# Altium PCB RICK_TNY_00.PcbDoc
Units mm, origin at the board's own origin, x right, y up, seen from the top; angles counter-clockwise.
Board outline 17.78 x 20.32 mm, 4 copper layers (Top Layer, Layer 1, Layer 2, Bottom Layer), stack 0.807 mm thick; 50 components, 47 nets, 223 pads, 106 vias.
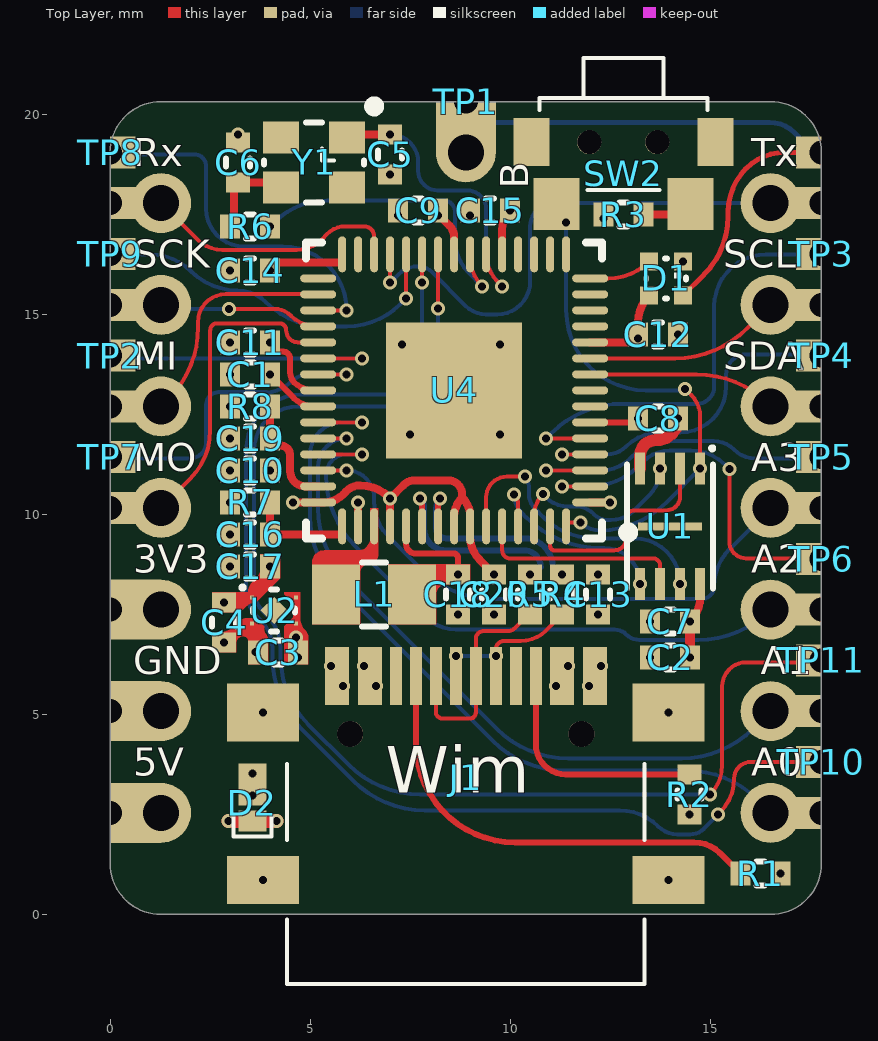
[diagram p0: Top Layer view]
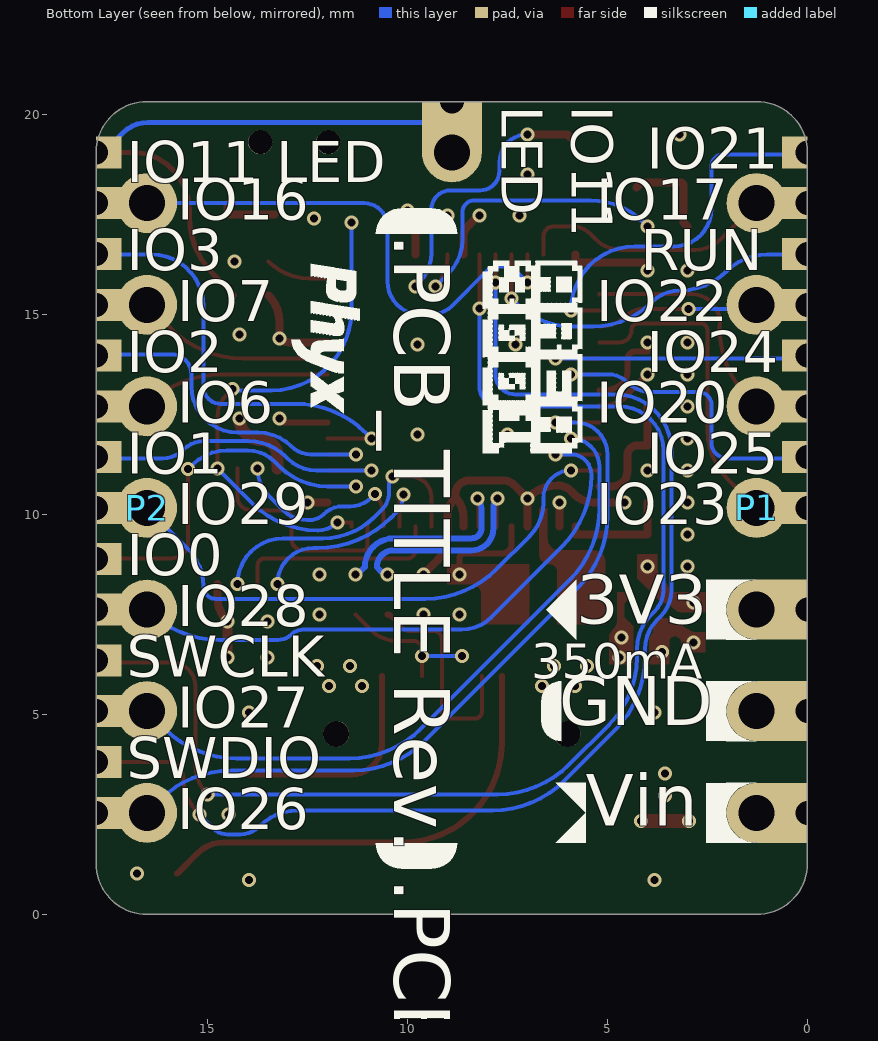
[diagram p1: Bottom Layer view, seen from below]
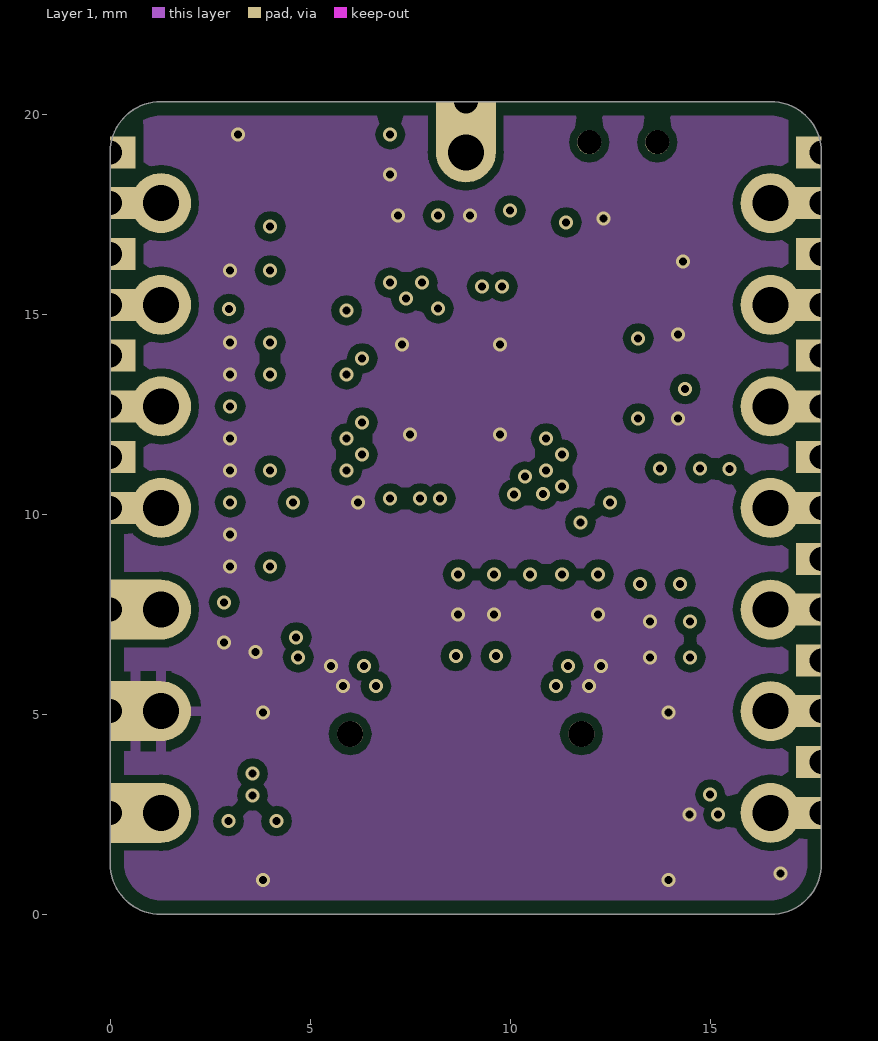
[diagram p2: Layer 1]
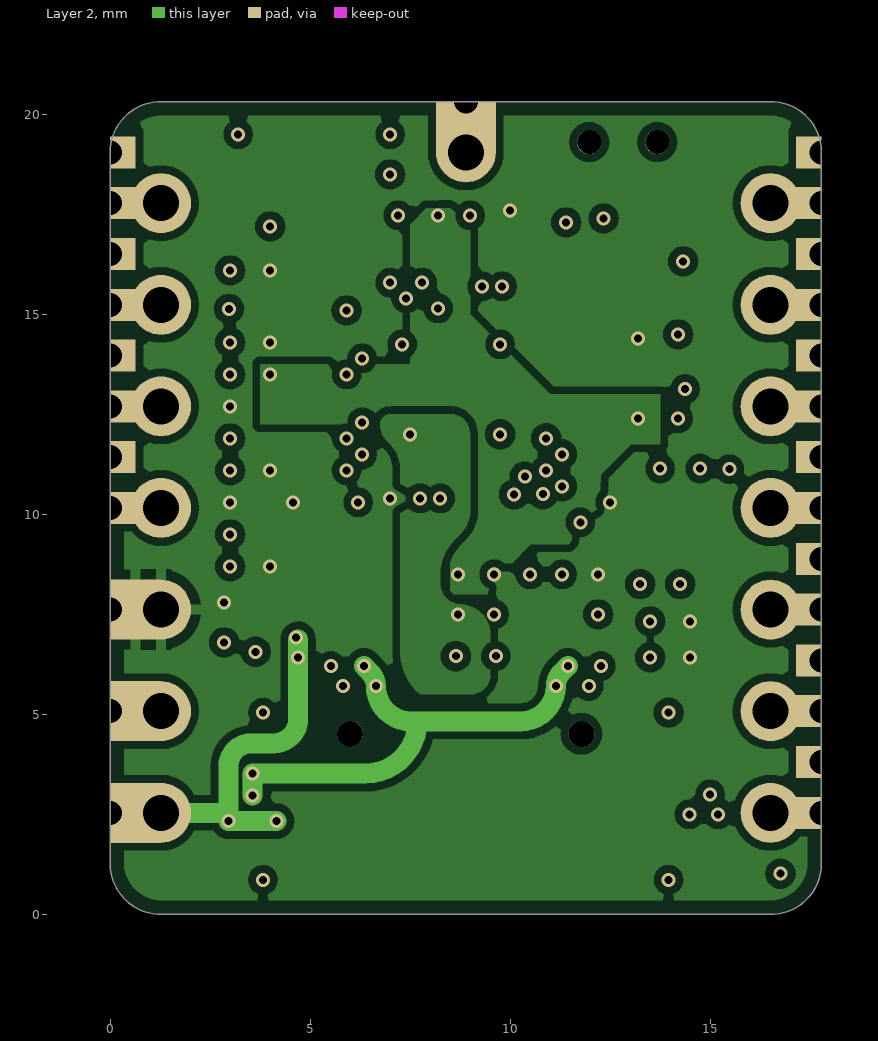
[diagram p3: Layer 2]
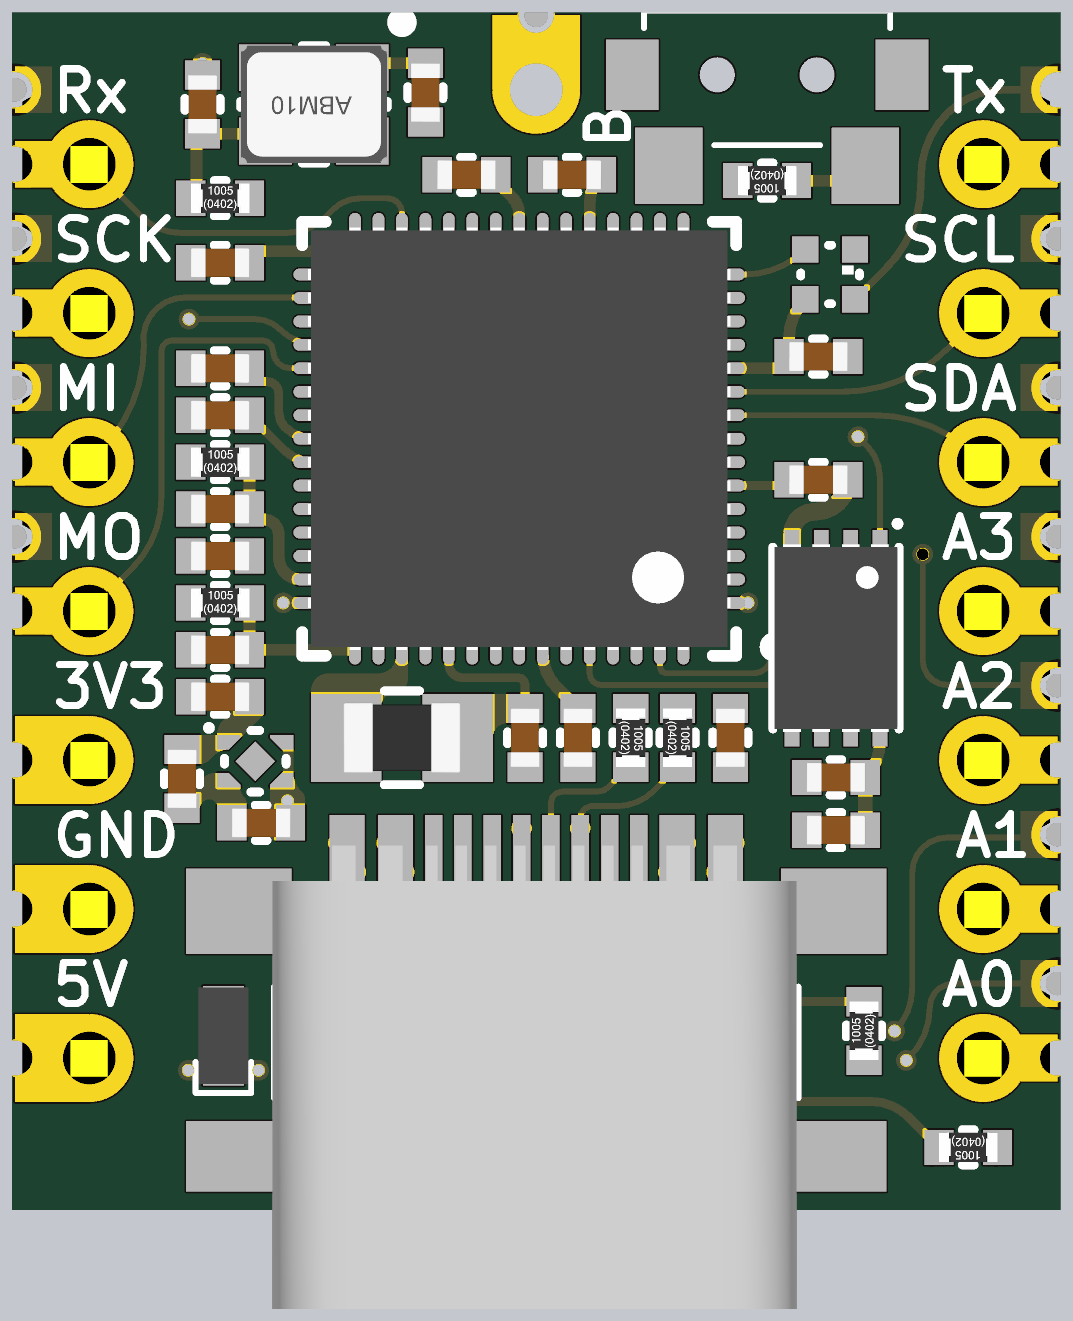
[diagram p4: 3D render of the assembled board from above, using the file's embedded part models]

## Layer stack, top to bottom
Top Solder: solder mask 0.0102, Solder Resist, Dk 3.5
Top Layer: signal copper 0.0356
Dielectric 1: prepreg 0.1, PP-006, Dk 4.1
Layer 1: signal copper 0.018
Dielectric1: core 0.5, FR-4, Dk 4.8
Layer 2: signal copper 0.018
Dielectric 2: prepreg 0.1, PP-006, Dk 4.1
Bottom Layer: signal copper 0.0356
Bottom Solder: solder mask 0.0102, Solder Resist, Dk 3.5

## Board outline
0,1.27 0,19.05 cw(c1.27,19.05) 1.27,20.32 16.51,20.32 cw(c16.51,19.05) 17.78,19.05 17.78,1.27 cw(c16.51,1.27) 16.51,0 1.27,0 cw(c1.27,1.27)

## Design rules (kind name [scope] priority, off if disabled: settings)
BoardOutlineClearance [NOT OnLayer('Top Overlay') AND NOT OnLayer('Bottom Overlay') AND NOT IsText] p1: gap=0.5 ignorepadtopadclearanceinfootprint=FALSE except(0: Arc-SplitContinuation Track-SplitContinuation SMDPad-SplitContinuation THPad-SplitContinuation Via-SplitContinuation Fill-SplitContinuation Poly-SplitContinuation Region-SplitContinuation Text-SplitContinuation; 0.25: Track-OutlineEdge SMDPad-OutlineEdge THPad-OutlineEdge; 0.35: Poly-OutlineEdge)
Clearance [All] p1: gap=0.15 ignorepadtopadclearanceinfootprint=FALSE except(0: Arc-Hole Track-Hole SMDPad-Hole THPad-Hole Via-Hole Fill-Hole Region-Hole Text-Hole; 0.1: Arc-Arc Arc-Track Arc-SMDPad Track-Track Track-SMDPad; 0.127: Arc-THPad Arc-Via Arc-Region Track-THPad Track-Via Track-Region SMDPad-SMDPad SMDPad-Region; 0.2: Arc-Poly Track-Poly SMDPad-Poly THPad-Poly Via-Poly Fill-Poly Poly-Poly Poly-Hole; 0.25: Poly-Region)
ComponentClearance ComponentClearance_J2/D6/D10 [InComponent('J2') vs InComponent('D6') OR InComponent('D10')] p1: gap=0.254 collisioncheckmode=3 verticalgap=0 showdistances=FALSE
ComponentClearance [All] p2: gap=0.254 collisioncheckmode=3 verticalgap=0.254 showdistances=FALSE
DiffPairsRouting [All] p1: maxlimit=0.15 minlimit=0.15 mostfreqgap=0.15 toplayer_minwidth=0.1 toplayer_maxwidth=0.15 toplayer_prefwidth=0.15 midlayer1_minwidth=0.1 midlayer1_maxwidth=0.15 midlayer1_prefwidth=0.15 midlayer2_minwidth=0.1 midlayer2_maxwidth=0.15 midlayer2_prefwidth=0.15 bottomlayer_minwidth=0.1 bottomlayer_maxwidth=0.15 bottomlayer_prefwidth=0.15 maxuncoupledlength=12.7
HoleSize [All] p1: absolutevalues=TRUE maxlimit=10 minlimit=0.025 maxpercent=80.000 minpercent=20.000
PolygonConnect PolygonConnect_VIA [IsVia] p1: connectstyle=Direct reliefconductorwidth=0.254 reliefentries=4 polygonreliefangle="90 Angle" airgapwidth=0.254
PolygonConnect [All] p2: connectstyle=Relief reliefconductorwidth=0.254 reliefentries=4 polygonreliefangle="90 Angle" airgapwidth=0.254
RoutingVias [All] p1: holewidth=0.3 width=0.7 viastyle="Through Hole" minholewidth=0.3 minwidth=0.2 maxholewidth=0.6 maxwidth=1.2
SilkToSolderMaskClearance SilkscreenOverComponentPads [IsPad] p1: minsilkscreentomaskgap=0.254 clearancetoexposedcopper=TRUE
SolderMaskExpansion [All] p1: expansion=0.03 istentingtop=FALSE
SupplyNets "Schematic Supply Nets_4" [InNet('GND')] p1: voltage=0.000
SupplyNets "Schematic Supply Nets_3" [InNet('VUSB')] p2: voltage=0.000
SupplyNets "Schematic Supply Nets_2" [InNet('+1V1')] p3: voltage=0.000
SupplyNets "Schematic Supply Nets_1" [InNet('+3V3')] p4: voltage=0.000
SupplyNets "Schematic Supply Nets" [InNet('VSYS')] p5: voltage=0.000
Width [All] p1: maxlimit=5 minlimit=0.1 preferedwidth=0.125
26 further rules are at their usual default settings.

## Classes and differential pairs
net class 90r: USB.D_n USB.D_p USB.Data_n USB.Data_p
net class POWER: +1V1 +3V3 GND VSYS VUSB
differential pair USB.Data: +USB.Data_p -USB.Data_n
differential pair USB.D: +USB.D_p -USB.D_n

## Components (designator, comment, footprint, x,y, rotation, side; value= is the part's Value field where it differs from the comment)
C1 "CAP_CERAMIC" C0402 3.5,13.5 r180 top value="100nF 16V"
C2 "CAP_CERAMIC" C0402 14,6.425 r180 top value="100nF 16V"
C3 "CAP_CERAMIC" C0402 4.2,6.55 r180 top value="2u2F 6V3"
C4 "CAP_CERAMIC" C0402 2.85,7.3 r270 top value="2u2F 6V3"
C5 "CAP_CERAMIC" C0402 7,19 r270 top value=12pF
C6 "CAP_CERAMIC" C0402 3.2,18.8 r90 top value=12pF
C7 "CAP_CERAMIC" C0402 14,7.325 r180 top value="2u2F 6V3"
C8 "CAP_CERAMIC" C0402 13.7,12.4 r0 top value="100nF 16V"
C9 "CAP_CERAMIC" C0402 7.7,17.6 r180 top value="100nF 16V"
C10 "CAP_CERAMIC" C0402 3.5,11.1 r180 top value="100nF 16V"
C11 "CAP_CERAMIC" C0402 3.5,14.3 r180 top value="100nF 16V"
C12 "CAP_CERAMIC" C0402 13.7,14.5 r0 top value="100nF 16V"
C13 "CAP_CERAMIC" C0402 12.2,8 r270 top value="100nF 16V"
C14 "CAP_CERAMIC" C0402 3.5,16.1 r180 top value="100nF 16V"
C15 "CAP_CERAMIC" C0402 9.5,17.6 r180 top value="100nF 16V"
C16 "CAP_CERAMIC" C0402 3.5,9.5 r180 top value="2u2F 6V3"
C17 "CAP_CERAMIC" C0402 3.5,8.7 r180 top value="10uF 6V3"
C18 "CAP_CERAMIC" C0402 8.7,8 r270 top value="10uF 6V3"
C19 "CAP_CERAMIC" C0402 3.5,11.9 r180 top value="2u2F 6V3"
C20 "CAP_CERAMIC" C0402 9.6,8 r270 top value="100nF 16V"
D1 "WS2812 based digital RGB LED 1010 package" LED_1010_WS2812B 13.9,15.9 r180 top value=XL-1010RGBC-WS2812B
D2 "40V 1A 550mV@700mA 0603 Schottky" ON_DSN2 3.556,2.921 r90 top value=CDBVRL140-HF
J1 "USB 2.0 C Reversible Receptacle Horizontal full SMD" XUNPU-TYPEC-304S-ACP16 8.89,3.41 r0 top locked value=TYPEC-304S-ACP16
L1 "LQM21PN3R3MGRD" L0805 6.6,8 r0 top value=3u3H
P1 "Header 7" HDR1X7 1.27,2.54 r90 bottom
P2 "Header 7" HDR1X7 16.51,2.54 r90 bottom
R1 "RESISTOR" R0402 16.256,1.016 r180 top value=5K1
R2 "RESISTOR" R0402 14.478,3.002 r90 top value=5K1
R3 "RESISTOR" R0402 12.827,17.5 r180 top value=5K1
R4 "RESISTOR" R0402 11.3,8 r270 top value=27R
R5 "RESISTOR" R0402 10.5,8 r270 top value=27R
R6 "RESISTOR" R0402 3.5,17.2 r0 top value=1K
R7 "RESISTOR" R0402 3.5,10.3 r0 top value=10R
R8 "RESISTOR" R0402 3.5,12.7 r0 top value=200R
SW2 "TS24CA RA Tactile Switch 12V 50mA" SHOU_HAN_TS24CA 12.827,19.304 r0 top value=TS24CA
TP1 "TEST_PAD" TP_0.4mm 8.89,20.32 r0 top value="NO BOM"
TP2 "TEST_PAD" TP_0.4mm 0,13.97 r90 top value="NO BOM"
TP3 "TEST_PAD" TP_0.4mm 17.78,16.51 r90 top value="NO BOM"
TP4 "TEST_PAD" TP_0.4mm 17.78,13.97 r90 top value="NO BOM"
TP5 "TEST_PAD" TP_0.4mm 17.78,11.43 r90 top value="NO BOM"
TP6 "TEST_PAD" TP_0.4mm 17.78,8.89 r90 top value="NO BOM"
TP7 "TEST_PAD" TP_0.4mm 0,11.43 r90 top value="NO BOM"
TP8 "TEST_PAD" TP_0.4mm 0,19.05 r90 top value="NO BOM"
TP9 "TEST_PAD" TP_0.4mm 0,16.51 r90 top value="NO BOM"
TP10 "TEST_PAD" TP_0.4mm 17.78,3.81 r90 top value="NO BOM"
TP11 "TEST_PAD" TP_0.4mm 17.78,6.35 r90 top value="NO BOM"
U1 "16Mb 3V3 133MHz SPI Flash DFN2x3 GD25Q16EEIGR" USON_8_0.5_2x3 14,9.7 r270 top value=GD25Q16EEIGR
U2 "3V3 LDO 500mA 150mV" DFNWB_1.0X1.0 4.1,7.6 r270 top value=CJ6205B33F
U4 "RPi RP2350 QFN60 2xM33 ext Flash" RPI_QFN60_0.4_7x7 8.6,13.1 r180 top value=RP2350A
Y1 "12MHz 2520 12pF ±10ppm ±30ppm" XTAL_2520 5.1,18.8 r180 top value=12MHz

## Footprints (in the part's own frame and the unit in brackets; to place one, negate y for a bottom-side part, rotate by r counter-clockwise, add the part's x,y. Pads: shape width x height; smd on the part's side, far side on the other; paste and mask are expansions set on the pad)
C0402 [mm]
  rect 0.5x0.6 smd: 1(-0.5,0) 2(0.5,0)
  silkscreen extent -0.1,-0.3 0.1,0.3, body extent -0.5,-0.25 0.5,0.25, height 0.5
DFNWB_1.0X1.0 [mm] "DFNWB 1x1mm package"
  rect 0.1x0.1 smd: 1(-0.325,-0.55) 2(0.325,-0.55) 3(0.325,0.55) 4(-0.325,0.55)
  rect 0.48x0.48 smd rot 45: 5(0,0)
  Top Layer region: -0.45,-0.65 -0.2,-0.65 -0.2,-0.45 -0.4,-0.25 -0.45,-0.25
  Top Layer region: 0.45,-0.65 0.2,-0.65 0.2,-0.45 0.4,-0.25 0.45,-0.25
  Top Layer region: -0.45,0.65 -0.2,0.65 -0.2,0.45 -0.4,0.25 -0.45,0.25
  Top Layer region: 0.45,0.65 0.2,0.65 0.2,0.45 0.4,0.25 0.45,0.25
  silkscreen extent -0.62,-0.84 0.53,0.53, body extent -0.5,-0.5 0.5,0.5, height 0.4
HDR1X7 [mm] "Connector; Header; 7 Position"
  round 1.5 hole 0.9: 1(0,0) 2(2.54,0) 3(5.08,0) 4(7.62,0) 5(10.16,0) 6(12.7,0) 7(15.24,0)
  body extent -1.27,-1.14 16.51,1.14, height 8.13
L0805 [mm]
  rect 1.2x1.5 smd: 1(-0.95,0) 2(0.95,0)
  silkscreen extent -0.3,-0.8 0.3,0.8, body extent -1,-0.6 1,0.6, height 0.95
LED_1010_WS2812B [mm] "1010 WS2812B based RGB LED"
  rect 0.45x0.45 smd: 1(-0.425,0.425) 2(0.425,0.425) 3(-0.425,-0.425) 4(0.425,-0.425)
  silkscreen extent -0.5,-0.5 0.5,0.5, body extent -0.5,-0.5 0.5,0.5, height 0.8
ON_DSN2 [mm] "DFN, 2-Leads, Body 0,80x1,60mm, Pitch 1,00mm, IPC Medium Density"
  rect 1.05x0.7 smd: A(0.325,0)
  rect 0.52x0.7 smd: C(-0.59,0)
  silkscreen extent -0.97,-0.48 -0.45,0.48, body extent -0.82,-0.43 0.82,0.43, height 0.31
R0402 [mm]
  rect 0.5x0.6 smd: 1(-0.5,0) 2(0.5,0)
  silkscreen extent -0.1,-0.3 0.1,0.3, body extent -0.5,-0.25 0.5,0.25, height 0.35
RPI_QFN60_0.4_7x7 [mm]
  oval 0.9x0.2 smd: 1(-3.4,2.8) 2(-3.4,2.4) 3(-3.4,2) 4(-3.4,1.6) 5(-3.4,1.2) 6(-3.4,0.8) 7(-3.4,0.4) 8(-3.4,0) 9(-3.4,-0.4) 10(-3.4,-0.8) 11(-3.4,-1.2) 12(-3.4,-1.6) 13(-3.4,-2) 14(-3.4,-2.4) 15(-3.4,-2.8) 31(3.4,-2.8) 32(3.4,-2.4) 33(3.4,-2) 34(3.4,-1.6) 35(3.4,-1.2) 36(3.4,-0.8) 37(3.4,-0.4) 38(3.4,0) 39(3.4,0.4) 40(3.4,0.8) 41(3.4,1.2) 42(3.4,1.6) 43(3.4,2) 44(3.4,2.4) 45(3.4,2.8)
  oval 0.2x0.9 smd: 16(-2.8,-3.4) 17(-2.4,-3.4) 18(-2,-3.4) 19(-1.6,-3.4) 20(-1.2,-3.4) 21(-0.8,-3.4) 22(-0.4,-3.4) 23(0,-3.4) 24(0.4,-3.4) 25(0.8,-3.4) 26(1.2,-3.4) 27(1.6,-3.4) 28(2,-3.4) 29(2.4,-3.4) 30(2.8,-3.4) 46(2.8,3.4) 47(2.4,3.4) 48(2,3.4) 49(1.6,3.4) 50(1.2,3.4) 51(0.8,3.4) 52(0.4,3.4) 53(0,3.4) 54(-0.4,3.4) 55(-0.8,3.4) 56(-1.2,3.4) 57(-1.6,3.4) 58(-2,3.4) 59(-2.4,3.4) 60(-2.8,3.4)
  rect 3.4x3.4 smd: 61(0,0)
  silkscreen extent -4.48,-3.7 3.7,3.7, body extent -3.6,-3.6 3.6,3.6, height 0.9
SHOU_HAN_TS24CA [mm] "TS24CA tactile switch"
  rect 0.9x1.2 smd: 0(-2.3,0) 0(2.3,0)
  round 0.6 hole 0.6 unplated: 0(-0.85,0) 0(0.85,0)
  rect 1.15x1.3 smd: 1(-1.675,-1.55) 2(1.675,-1.55)
  silkscreen extent -2.1,-1.2 2.1,2.1, body extent -2.1,-1.2 2.1,2.1, height 1.8
TP_0.4mm [mm] "0.4mm pad"
  round 0.4 smd mask+0.05: 1(0,0)
USON_8_0.5_2x3 [mm] "SON, 8-Leads, Body 2,00x3,00mm, Pitch 0,50mm, Thermal Pad 1,60x0,20mm, IPC Medium Density"
  rect 0.8x0.25 smd: 1(-1.445,0.75) 2(-1.445,0.25) 3(-1.445,-0.25) 4(-1.445,-0.75) 5(1.445,-0.75) 6(1.445,-0.25) 7(1.445,0.25) 8(1.445,0.75)
  rect 0.2x1.6 smd: 9(0,0)
  silkscreen extent -2,-1.07 1.55,1.1, body extent -1.6,-1.05 1.6,1.05, height 0.5
XTAL_2520 [mm]
  rect 0.9x0.8 smd: 1(-0.825,-0.625) 2(0.825,-0.625) 3(0.825,0.625) 4(-0.825,0.625)
  silkscreen extent -1.63,-1.52 1.25,1, body extent -1.24,-1 1.24,1, height 0.51
XUNPU-TYPEC-304S-ACP16 [mm] "USB C Connector SMD"
  round 0.65 hole 0.65 unplated: 0(-2.89,1.102) 0(2.89,1.102)
  rect 0.3x1.45 smd: A1(-3.375,2.547) A4(-2.55,2.548) A5(-1.25,2.548) A6(-0.25,2.547) A7(0.25,2.547) A8(1.25,2.548) A9(2.55,2.547) A12(3.375,2.548) B1(3.075,2.547) B4(2.25,2.548) B5(1.75,2.548) B6(0.75,2.547) B7(-0.75,2.547) B8(-1.75,2.548) B9(-2.25,2.547) B12(-3.075,2.548)
  rect 1.8x1.45 smd: MH1(-5.07,1.632) MH4(5.07,1.632)
  rect 1.8x1.2 smd: MH2(-5.07,-2.548) MH3(5.07,-2.548)
  silkscreen extent -4.47,-5.15 4.47,0.35, body extent -4.5,-5.15 4.44,2.75, height 3.26

## Part data
C1 C2 C8 C9 C10 C11 C12 C13 C14 C15 C20: library part "CAP # 100nF 16V 0402", "Capacitor Ceramic", Supplier Part Number 1=1758896, Supplier 1=Farnell, Supplier 3=Generic, Supplier Part Number 3="100nF 16V 0402 X7R"
C3 C4 C7 C16 C19: library part "CAP # 2u2F 6V3 0402", "Capacitor Ceramic", Supplier Part Number 1=C12530, Supplier 1=LCSC, Supplier 3=Generic, Supplier Part Number 3="2u2F 6V3 0402 X5R"
C5 C6: library part "CAP # 12pF 50V 0402", "Capacitor Ceramic", Supplier Part Number 1=2310489, Supplier 1=Farnell, Supplier 2=LCSC, Supplier 3=Generic, Supplier Part Number 2=C106201, Supplier Part Number 3="12pF 0402"
C17 C18: library part "CAP # 10uF 6V3 0402", "Capacitor Ceramic", Supplier Part Number 1=C15525, Supplier 1=LCSC, Supplier 2=LCSC, Supplier 3=Generic, Supplier Part Number 2=C87148, Supplier Part Number 3="10uF 6V3 0402 X5R"
D1: library part "LED # RGB XL-1010RGBC-WS2812B", "=Description", Supplier Part Number 1=C5349953, Supplier 1=LCSC
D2: library part "Schottky # CDBVRL140-HF", "=Description", Supplier Part Number 1=C3758192, Supplier 1=LCSC, Supplier 2=LCSC, Supplier Part Number 2=C153761
J1: library part "USB # C 2.0 RCPT TYPEC-304S-ACP16", Supplier Part Number 1=C720630, Supplier 1=LCSC
L1: library part "IND # 3u3H 0603 1A", Supplier Part Number 1=C162585, Supplier 1=LCSC
P1 P2: library part "Pin Header 2.54mm 7way"
R1 R2 R3: library part "RES # 5K1 0402", Supplier Part Number 1=C274895, Supplier 1=LCSC, Supplier 3=Generic, Supplier Part Number 3="5K1 1% 0402"
R4 R5: library part "RES # 27R 0402", Supplier 3=Generic, Supplier Part Number 3="27R 1% 0402"
R6: library part "RES # 1K 0402", Supplier 3=Generic, Supplier Part Number 3="1K 1% 0402"
R7: library part "RES # 10R 0402", Supplier Part Number 1=C2906862, Supplier 1=LCSC, Supplier 2=LCSC, Supplier 3=Generic, Supplier Part Number 2=C138066, Supplier Part Number 3="10R 1% 0402"
R8: library part "RES # 200R 0402", Supplier Part Number 1=C2909333, Supplier 1=LCSC, Supplier 2=LCSC, Supplier 3=Generic, Supplier Part Number 2=C114764, Supplier Part Number 3="200R 1% 0402"
SW2: library part "SW # TACT RA TS24CA", Supplier Part Number 1=C393942, Supplier 1=LCSC
TP1 TP2 TP3 TP4 TP5 TP6 TP7 TP8 TP9 TP10 TP11: library part "TP # 0.4mm", Supplier Part Number 1="FOOTPRINT ONLY", Supplier 1=XXX
U1: library part "FLSH # 16Mb QSPI NOR 3V3 133MHz DFN GD25Q16EEIGR", Supplier Part Number 1=C2986331, Supplier 1=LCSC
U2: library part "LDO # 3V3 500mA CJ6205B33F", "=Designator", Supplier Part Number 1=C2829397, Supplier 1=LCSC
U4: library part "M33 # RP2350A", "=Description"
Y1: library part "XTAL # 12Mhz 2520 12pF", "Crystal Oscillator 4pin casing", Supplier Part Number 1=C7294611, Supplier 1=LCSC

## Free pads (board coordinates)
  rect 1.27x1.5 hole 0.6 copper offset 0.635,0: 0(0,2.54) 0(0,5.08) 0(0,7.62)
  rect 0.635x0.8 hole 0.6 copper offset 0.318,0: 0(0,10.16) 0(0,12.7) 0(0,15.24) 0(0,17.78)
  rect 0.635x0.8 hole 0.6 copper offset 0.318,0 mask+0.05: 0(0,11.43) 0(0,13.97) 0(0,16.51) 0(0,19.05)
  rect 1.5x1.27 hole 0.6 copper offset 0,-0.635: 0(8.89,20.32)
  rect 0.635x0.8 hole 0.6 copper offset -0.318,0: 0(17.78,2.54) 0(17.78,5.08) 0(17.78,7.62) 0(17.78,10.16) 0(17.78,12.7) 0(17.78,15.24) 0(17.78,17.78)
  rect 0.635x0.8 hole 0.6 copper offset -0.318,0 mask+0.05: 0(17.78,3.81) 0(17.78,6.35) 0(17.78,8.89) 0(17.78,11.43) 0(17.78,13.97) 0(17.78,16.51) 0(17.78,19.05)
  round 1.5 hole 0.9: 1(8.89,19.05)

## Via types
v1: diameter 0.35, hole 0.2, Top Layer to Bottom Layer, tented both sides, 106 vias

## Nets (pads, with @x,y where several pads share a name; then routed paths per layer and width w, separated by ;. In a path a pad name is that pad's centre, name@x,y a point inside that pad or via, vN(x,y) a via of type N, cw(c..) or ccw(c..) an arc to the next point about the centre after c; other vN are vias at no path point)
+1V1: C1.1 C8.1 C9.1 C18.1 L1.2 U4.6 U4.23 U4.39 U4.50 | length 6.2
  Top Layer w0.15: v1(4,13.5) 4.6,12.9 ccw(c5.083,13.383) 5.083,12.7 U4.39 ; U4.50 7.4,9.25 ccw(c7.625,9.25) 7.625,9.025 8.575,9.025 cw(c8.575,8.9) 8.7,8.9 v1(8.7,8.5) ; U4.6 13.1,12.3 ccw(c13.1,12.4) v1(13.2,12.4)
  Top Layer w0.2: v1(8.2,17.475) cw(c8.2,17.415) 8.243,17.457 8.475,17.225 cw(c8.173,16.923) 8.6,16.923 U4.23
+3V3: C2.1 C4.1 C7.1 C10.1 C11.1 C12.1 C13.1 C14.1 C15.1 C17.1 C20.1 D1.2 P1.3 pad.0@0,7.62 R7.1 R8.1 U1.8 U2.1 U4.1 U4.11 U4.20 U4.30 U4.38 U4.45 U4.49 U4.53 U4.54 | length 18.7
  Top Layer w0.15: v1(4,14.3) 4,14.075 4.3,14.075 cw(c4.3,13.875) 4.5,13.875 4.5,13.541 ccw(c4.841,13.541) 4.6,13.3 ccw(c5.083,13.783) 5.083,13.1 U4.38
  Top Layer w0.2: v1(4,16.1) 4,16.189 4.108,16.297 5.8,16.297 U4.30 ; v1(4.575,10.3) U4.45 5.342,10.3 ccw(c5.342,10.983) 5.825,10.5 5.909,10.584 cw(c6.25,10.242) 6.25,10.725 cw(c6.25,9.699) 6.976,10.424 v1(7,10.4) ; U4.49 v1(7,10.4) ; U4.53 8.6,9.942 cw(c9.283,9.942) 8.8,10.425 ; C20.1@9.6,8.502 9.24,8.861 cw(c9.821,9.442) 9,9.442 U4.54 9,9.942 ccw(c8.317,9.942) 8.8,10.425 ; U4.20 9.8,17.117 cw(c10.483,17.117) v1(10,17.6) ; U4.1 v1(12.5,10.3) ; U4.11 12.959,14.3 ccw(c12.959,14.641) v1(13.2,14.4) C12.1 13.2,14.811 cw(c14.139,14.811) D1.2 ; v1(14.5,7.325) ccw(c13.896,7.929) 14.75,7.929 U1.8 ; v1(7,10.4) 7.326,10.726 cw(c7.625,10.427) 7.625,10.85 8.45,10.85 cw(c8.45,10.5) 8.8,10.5 8.8,10.425
  Top Layer w0.25: v1(14.5,6.425) v1(14.5,7.325)
  other v1: 2.85,7.8 9.6,8.5 12.2,8.5 4,8.7 3,10.3 4,11.1 3,12.7
ADC_IOVDD: C19.1 R8.2 U4.44 | length 2.9
  Top Layer w0.2: R8.2 C19.1 4,11.725 4.246,11.725 cw(c4.246,11.471) 4.5,11.471 4.5,11.075 ccw(c4.875,11.075) 4.875,10.7 U4.44
GND: C1.2 C2.2 C3.2 C4.2 C5.2 C6.2 C7.2 C8.2 C9.2 C10.2 C11.2 C12.2 C13.2 C14.2 C15.2 C16.2 C17.2 C18.2 C19.2 C20.2 D1.3 J1.A1 J1.A12 J1.B1 J1.B12 J1.MH1 J1.MH2 J1.MH3 J1.MH4 P1.2 pad.0@0,5.08 R1.1 R2.1 R3.2 U1.4 U2.2 U4.47 U4.61 | length 2.4
  Top Layer w0.2: U4.47 v1(6.2,10.3)
  Top Layer w0.3: U1.4 13.25,11.471 cw(c13.635,11.471) 13.635,11.855 13.655,11.855 ccw(c13.655,12.4) v1(14.2,12.4)
  other v1: 3.82,0.863 13.96,0.863 16.756,1.016 14.478,2.502 3.82,5.042 13.96,5.042 5.815,5.708 11.965,5.708 5.515,6.207 12.265,6.208 13.5,6.425 3.635,6.565 2.85,6.8 13.5,7.325 8.7,7.5 9.6,7.5 12.2,7.5 3,8.7 3,9.5 3,11.1 3,11.9 7.5,12 9.75,12 3,13.5 7.3,14.25 9.75,14.25 3,14.3 14.2,14.5 3,16.1 14.325,16.325 12.334,17.4 7.2,17.475 9,17.475 7,18.5 3.2,19.5
IO0: pad.0@17.78,8.89 TP6.1 U4.2 | length 9.2
  Top Layer w0.1: v1(11.291,10.7) U4.2 ; v1(15.48,11.129) 15.48,9.32 ccw(c15.9,9.32) 15.9,8.9 17.351,8.9 pad.0@17.351,8.887
  Bottom Layer w0.1: v1(11.291,10.7) 11.993,10.7 ccw(c11.993,12.407) 13.2,11.2 13.317,11.317 cw(c14,10.634) 14,11.6 14.504,11.6 cw(c14.504,10.382) v1@15.365,11.244 ; v1@15.365,11.243 v1(15.48,11.129)
IO1: pad.0@17.78,11.43 TP5.1 U4.3 | length 7.9
  Top Layer w0.1: v1(10.9,11.1) U4.3
  Bottom Layer w0.1: v1(10.9,11.1) 12.276,11.1 ccw(c12.276,12.124) 13,11.4 13.045,11.445 cw(c13.983,10.506) 13.983,11.833 15.08,11.833 cw(c15.08,11.107) 15.594,11.621 ccw(c16.126,12.154) 16.126,11.4 17.341,11.4 pad.0@17.346,11.395
IO2: pad.0@17.78,13.97 TP4.1 U4.4 | length 8.2
  Top Layer w0.1: v1(11.291,11.5) U4.4
  Bottom Layer w0.1: v1(11.291,11.5) 12.417,11.5 ccw(c12.417,12.183) 12.9,11.7 cw(c13.736,10.864) 13.736,12.046 14.246,12.046 ccw(c14.246,13.2) 15.4,13.2 15.4,13.5 cw(c15.9,13.5) 15.9,14 17.329,14 pad.0@17.329,13.986
IO3: pad.0@17.78,16.51 TP3.1 U4.5 | length 10.8
  Top Layer w0.1: v1(10.9,11.9) U4.5
  Bottom Layer w0.1: v1(10.9,11.9) 11.021,12.021 cw(c12.817,10.225) 12.817,12.765 14.672,12.765 ccw(c14.672,13.193) 15.1,13.193 15.1,15.2 cw(c16.4,15.2) 16.4,16.5 17.326,16.5 pad.0@17.326,16.511
IO21: pad.0@0,19.05 TP8.1 U4.33 | length 8.8
  Top Layer w0.1: U4.33 v1(5.909,15.1)
  Bottom Layer w0.1: pad.0@0.537,19 2.1,19 cw(c2.1,18.7) 2.4,18.7 2.4,17.639 ccw(c3.339,17.639) 3.339,16.7 4.309,16.7 cw(c4.309,15.1) v1(5.909,15.1)
IO24: pad.0@0,13.97 TP2.1 U4.36 | length 6.9
  Top Layer w0.1: U4.36 v1(6.3,13.9)
  Bottom Layer w0.1: pad.0@0.542,13.928 ccw(c0.569,13.928) 0.569,13.9 v1(6.3,13.9)
IO25: pad.0@0,11.43 TP7.1 U4.37 | length 7.6
  Top Layer w0.1: U4.37 v1(5.909,13.5)
  Bottom Layer w0.1: pad.0@0.513,11.417 0.513,11.4 2,11.4 ccw(c2,11.8) 2.4,11.8 2.4,12.745 cw(c2.708,12.745) 2.708,13.053 3.904,13.053 ccw(c3.904,13.896) 4.5,13.3 cw(c4.983,12.817) 4.983,13.5 v1(5.909,13.5)
IO26_ADC0: P2.1 pad.0@17.78,2.54 U4.40 | length 19.3
  Top Layer w0.1: U4.40 v1(6.3,12.3)
  Bottom Layer w0.1: v1(6.3,12.3) 5.8,12.3 ccw(c5.8,11.5) 5,11.5 5,9.952 ccw(c7.54,9.952) 5.744,8.156 9.556,4.344 ccw(c11.352,6.14) 11.352,3.6 14.398,3.6 cw(c14.398,1.06) 16.194,2.856 P2.1
IO27_ADC1: P2.2 pad.0@17.78,5.08 U4.41 | length 17.5
  Top Layer w0.1: U4.41 v1(5.909,11.9)
  Bottom Layer w0.1: v1(5.909,11.9) ccw(c5.909,11.191) 5.2,11.191 5.2,10.152 ccw(c7.74,10.152) 5.944,8.356 9.656,4.644 ccw(c11.452,6.44) 11.452,3.9 14.278,3.9 ccw(c14.278,6.44) 16.074,4.644 P2.2
IO28_ADC2: P2.3 pad.0@17.78,7.62 U4.42 | length 15.7
  Top Layer w0.1: U4.42 v1(6.3,11.5)
  Bottom Layer w0.1: v1(6.3,11.5) 5.909,11.5 ccw(c5.909,10.991) 5.645,11.426 ccw(c5.909,10.991) 5.4,10.991 5.4,10.981 ccw(c7.94,10.981) 6.144,9.185 7.9,7.429 ccw(c8.648,8.177) 8.648,7.119 12.614,7.119 cw(c12.614,6.714) 12.9,7 ccw(c13.231,7.331) 13.231,6.863 14.701,6.863 ccw(c14.701,9.403) 16.497,7.607 P2.3
IO29_ADC3: P2.4 pad.0@17.78,10.16 U4.43 | length 14.2
  Top Layer w0.1: U4.43 v1(5.909,11.1)
  Bottom Layer w0.1: v1(5.909,11.1) cw(c5.909,10.409) 6.6,10.409 6.6,10.3 ccw(c7.807,10.3) 6.953,9.447 ; 6.954,9.446 7.769,8.631 ccw(c9.565,10.427) 9.565,7.887 14.787,7.887 ccw(c14.787,8.2) 15.1,8.2 cw(c16.428,8.2) 15.489,9.139 P2.4
LED.DIN: D1.4 U4.15 | length 1.6
  Top Layer w0.1: U4.15 12.449,15.9 ccw(c12.449,17.351) D1.4
LED.DOUT: D1.1 pad.0@8.89,20.32 pad.0@17.78,19.05 pad.1 TP1.1 | length 15.1
  Top Layer w0.127: D1.1 14.849,15.999 ccw(c13.398,17.45) 15.45,17.45 15.45,17.564 cw(c16.986,17.564) 15.9,18.65 cw(c16.866,17.684) 16.866,19.05 pad.0@17.575,19.05
  Bottom Layer w0.127: pad.1 8.89,19.8 16.482,19.8 cw(c16.482,18.912) 17.11,19.54 17.375,19.275 pad.0@17.375,19.05
NetC5_1: C5.1 U4.21 Y1.1 | length 7.6
  Top Layer w0.1: U4.21 ccw(c10.366,16.5) v1@9.682,15.818 ; v1@9.683,15.817 v1(9.8,15.7)
  Top Layer w0.2: Y1.1 6,19.5 v1(7,19.5)
  Bottom Layer w0.1: v1(7,19.5) cw(c7,18.8) 7.7,18.8 7.7,18.585 ccw(c8.187,18.585) 8.187,18.098 8.927,18.098 cw(c8.927,17.625) 9.4,17.625 9.4,16.55 ccw(c10.486,16.55) 9.718,15.782 v1(9.8,15.7)
NetC6_1: C6.1 R6.1 Y1.3 | length 2.3
  Top Layer w0.2: R6.1 3.098,17.298 3.098,18.248 C6.1@3.15,18.3 ; C6.1 4.15,18.3 Y1.3
NetJ1_A5: J1.A5 R1.2 | length 11.5
  Top Layer w0.15: J1.A5 7.64,4.283 ccw(c10.123,4.283) 7.659,3.974 ccw(c10.123,4.283) 10.123,1.8 14.6,1.8 cw(c14.6,0.902) 15.235,1.537 R1.2
NetJ1_B5: J1.B5 R2.2 | length 6
  Top Layer w0.15: J1.B5 10.64,4.25 ccw(c11.388,4.25) 11.388,3.502 R2.2
NetL1_1: L1.1 U4.48
NetR3_1: R3.1 SW2.2 | length 1.4
  Top Layer w0.2: R3.1 14.502,17.5 SW2.2
NetR6_2: R6.2 U4.22 | length 7.9
  Top Layer w0.1: U4.22 9,16.424 ccw(c10.024,16.424) v1(9.3,15.7)
  Bottom Layer w0.1: v1(4,17.2) 4.1,17.3 cw(c5.428,15.972) 5.428,17.85 8.325,17.85 cw(c8.325,17.55) 8.625,17.55 8.625,16.858 ccw(c9.792,16.858) 8.967,16.033 v1(9.3,15.7)
QSPI.SCLK: U1.6 U4.56 | length 5.2
  Top Layer w0.1: U4.56 9.8,9.1 ccw(c10,9.1) 10,8.9 13.56,8.9 cw(c13.56,8.71) 13.75,8.71 U1.6
QSPI.SD0: U1.5 U4.57 | length 5.1
  Top Layer w0.1: v1(10.1,10.5) cw(c9.859,10.259) 10.2,10.259 U4.57
  Bottom Layer w0.1: v1(10.1,10.5) ccw(c10.759,10.5) 10.293,10.034 10.4,9.928 ccw(c12.25,11.778) 12.25,9.161 12.344,9.161 cw(c12.344,8.255) v1(13.25,8.255)
QSPI.SD1: U1.2 U4.59 | length 5.5
  Top Layer w0.1: U4.59 11,9.2 ccw(c11.1,9.2) 11.1,9.1 12.6,9.1 ccw(c12.6,9.4) 12.9,9.4 12.9,9.9 cw(c13.1,9.9) 13.1,10.1 13.9,10.1 ccw(c13.9,10.45) 14.25,10.45 U1.2
QSPI.SD2: U1.3 U4.58 | length 4.7
  Top Layer w0.1: U4.58 10.6,9.982 cw(c11.338,9.982) v1(10.816,10.504)
  Bottom Layer w0.1: v1(10.816,10.504) 10.896,10.424 ccw(c11.436,10.964) 11.436,10.2 11.617,10.2 cw(c11.617,9.517) 12.1,10 ccw(c12.45,10.35) 12.45,9.855 12.509,9.855 ccw(c12.509,10.691) 13.1,10.1 13.471,10.471 ccw(c12.796,11.145) v1(13.75,11.145)
QSPI.SD3: U1.7 U4.55 | length 7.4
  Top Layer w0.1: U4.55 9.4,10.426 cw(c9.916,10.426) 9.916,10.942 v1(10.37,10.942)
  Bottom Layer w0.1: v1(10.37,10.942) cw(c10.142,10.715) 10.464,10.715 10.464,10.526 ccw(c11.021,10.526) 10.464,10.502 ccw(c10.816,10.504) 10.472,10.432 ccw(c11.021,10.526) 10.627,10.131 10.818,9.94 ccw(c12.122,11.243) 12.122,9.4 13.105,9.4 cw(c13.105,8.255) v1(14.25,8.255)
QSPI.SS: SW2.1 U1.1 U4.60 | length 12.5
  Top Layer w0.1: U4.60 11.4,9.8 v1(11.753,9.8) ; v1(14.375,13.134) 14.526,12.983 cw(c13.985,12.442) 14.75,12.442 v1(14.75,11.145)
  Bottom Layer w0.1: v1(11.4,17.3) 11.4,15.1 ccw(c13.4,15.1) 13.4,13.1 14.341,13.1 v1(14.375,13.134) ; v1(11.753,9.8) ccw(c12.236,10.283) 12.236,9.6 ccw(c12.236,11.94) 13.89,10.285 v1(14.75,11.145)
RP.MISO: P1.5 pad.0@0,12.7 U4.32 | length 5.8
  Top Layer w0.1: P1.5 1.456,12.886 ccw(c-0.34,14.682) 2.2,14.682 cw(c2.898,14.8) 2.898,15.507 5.193,15.507 U4.32
RP.MOSI: P1.4 pad.0@0,10.16 U4.35 | length 7.9
  Top Layer w0.1: P1.4 1.998,10.888 ccw(c0.786,12.1) 2.5,12.1 2.5,14.6 cw(c2.675,14.6) 2.675,14.775 4.225,14.775 cw(c4.225,14.6) 4.4,14.6 ccw(c4.7,14.6) 4.7,14.3 U4.35
RP.RX: P1.7 pad.0@0,17.78 U4.28 | length 6.5
  Top Layer w0.1: P1.7 2.177,16.873 ccw(c2.812,17.508) 2.812,16.61 4.651,16.61 ccw(c4.651,17.512) 5.289,16.874 5.421,17.007 cw(c5.888,16.539) 5.888,17.2 6.35,17.2 cw(c6.35,16.95) 6.6,16.95 U4.28
RP.SCK: P1.6 pad.0@0,15.24 U4.34 | length 4.1
  Top Layer w0.1: v1(2.969,15.139) 3.911,15.139 4.102,15.139 cw(c4.102,14.552) 4.516,14.967 ccw(c5.161,15.612) 5.161,14.7 U4.34
  Bottom Layer w0.1: P1.6 ccw(c1.514,15.484) 1.514,15.139 v1(2.969,15.139)
RP.SCL: P2.6 pad.0@17.78,15.24 U4.10 | length 5
  Top Layer w0.1: U4.10 14.118,13.9 ccw(c14.118,16.44) 15.914,14.644 P2.6
RP.SDA: P2.5 pad.0@17.78,12.7 U4.9 | length 4.7
  Top Layer w0.1: U4.9 14.658,13.5 cw(c14.658,10.96) 16.454,12.756 P2.5
RP.TX: P2.7 pad.0@17.78,17.78 U4.27 | length 13
  Top Layer w0.1: v1(7,15.791) U4.27
  Bottom Layer w0.1: v1(7,15.791) 7.203,15.994 cw(c7.7,15.496) 7.7,16.2 cw(c7.7,15.717) 8.041,16.059 8.888,15.212 ccw(c9.4,15.724) 9.4,15 9.674,15 ccw(c9.674,15.826) 10.5,15.826 10.5,17.2 cw(c11.08,17.2) 11.08,17.78 P2.7
RUN: pad.0@0,16.51 TP9.1 U4.26 | length 8.7
  Top Layer w0.1: v1(7.4,15.4) U4.26
  Bottom Layer w0.1: pad.0@0.448,16.517 ccw(c0.491,16.56) 0.491,16.5 1.003,16.5 cw(c1.003,15.059) 2.022,16.078 ccw(c3.176,17.231) 3.176,15.6 cw(c3.176,14.576) 3.9,15.3 ccw(c5.349,16.749) 5.349,14.7 5.909,14.7 ccw(c5.909,16.611) 7.26,15.26 v1(7.4,15.4)
SWCLK: pad.0@17.78,6.35 TP11.1 U4.24 | length 31.9
  Top Layer w0.1: v1(8.2,15.15) U4.24 ; v1(15,3) ccw(c14.276,3.724) 15.3,3.724 15.3,5.7 cw(c15.9,5.7) 15.9,6.3 17.284,6.3 ccw(c17.284,6.335) pad.0@17.319,6.335
  Bottom Layer w0.1: v1(8.2,15.15) 8.2,13.2 cw(c7.7,13.2) 7.7,12.7 4.7,12.7 ccw(c4.7,11.6) 3.6,11.6 3.6,8.1 ccw(c4.324,8.1) 3.812,7.588 3.9,7.5 cw(c3.027,6.627) 4.262,6.627 4.262,6.426 ccw(c6.646,6.426) 4.96,4.74 5.956,3.744 ccw(c7.752,5.54) 7.752,3 v1(15,3)
SWDIO: pad.0@17.78,3.81 TP10.1 U4.25 | length 30.3
  Top Layer w0.1: v1(7.8,15.791) U4.25 ; v1(15.2,2.5) 15.246,2.546 ccw(c14.393,3.4) 15.6,3.4 cw(c16.009,3.4) 16.009,3.809 17.3,3.809 pad.0@17.3,3.81
  Bottom Layer w0.1: v1(7.8,15.791) 7.8,13.5 cw(c7.3,13.5) 7.3,13 4.8,13 ccw(c4.8,11.6) 3.4,11.6 3.4,8.1 ccw(c4.324,8.1) 3.671,7.446 3.759,7.359 cw(c3.027,6.627) 4.062,6.627 4.062,6.426 ccw(c6.646,6.426) 4.819,4.599 6.073,3.344 ccw(c7.869,5.14) 7.869,2.6 12.734,2.6 cw(c12.734,1.234) 13.7,2.2 ccw(c14.183,2.683) 14.183,2 14.5,2 ccw(c14.5,2.483) 14.841,2.141 v1(15.2,2.5)
USB.D_n: J1.A7 J1.B7 R5.2 | length 5.5
  Top Layer w0.1: J1.B7 8.14,5.06 ccw(c8.3,5.06) 8.3,4.9 9,4.9 ccw(c9,5.04) 9.14,5.04 J1.A7 9.14,6.887 cw(c9.338,6.887) 9.338,7.084 9.947,7.084 ccw(c9.947,7.326) 10.117,7.155 R5.2@10.436,7.473
  Top Layer w0.15: R5.2@10.436,7.474 cw(c10.5,7.409) R5.2
USB.D_p: J1.A6 J1.B6 R4.2 | length 3.7
  Top Layer w0.1: J1.B6 v1(9.64,6.457) 9.64,6.626 cw(c9.852,6.626) 9.813,6.834 10.258,6.834 ccw(c10.258,7.742) 10.9,7.1 R4.2
  Bottom Layer w0.1: v1(8.64,6.457) v1(9.64,6.457)
USB.Data_n: R5.1 U4.51 | length 5.3
  Top Layer w0.15: v1(7.75,10.4) cw(c7.629,10.279) 7.8,10.279 U4.51
  Bottom Layer w0.15: v1(7.75,10.4) cw(c7.509,10.159) 7.85,10.159 7.85,9.65 ccw(c8.4,9.65) 8.4,9.1 10.347,9.1 cw(c10.347,8.684) 10.764,8.684 10.637,8.557 cw(c10.5,8.693) v1(10.5,8.5)
USB.Data_p: R4.1 U4.52 | length 5.3
  Top Layer w0.15: U4.52 8.2,10.279 cw(c8.371,10.279) v1(8.25,10.4)
  Bottom Layer w0.15: v1(8.25,10.4) ccw(c8.491,10.159) 8.15,10.159 8.15,9.65 ccw(c8.4,9.65) 8.4,9.4 10.347,9.4 cw(c10.347,8.684) 11.064,8.684 v1@11.21,8.537 ; v1@11.21,8.537 ccw(c11.3,8.627) v1(11.3,8.5)
VREG_AVDD: C16.1 R7.2 U4.46 | length 2.8
  Top Layer w0.2: R7.2 C16.1 5.8,9.5 U4.46
VSYS: C3.1 D2.C P1.1 pad.0@0,2.54 U2.3 U2.4 | length 9.9
  Top Layer w0.35: v1(2.956,2.331) D2.C v1(4.156,2.331)
  Layer 2 w0.5: P1.1 2.956,2.54 ; v1(4.156,2.331) v1(2.956,2.331) 2.956,2.54 ; v1@4.7,6.871 v1(4.7,6.425) 4.7,4.889 cw(c4.086,4.889) 4.086,4.275 3.525,4.275 ccw(c3.525,3.706) 2.956,3.706 2.956,2.54
  other v1: 4.65,6.925
VUSB: D2.A J1.A4 J1.A9 J1.B4 J1.B9 | length 12.1
  Layer 2 w0.5: v1(3.556,2.971) v1(3.556,3.521) 6.376,3.521 ccw(c6.376,4.825) 7.68,4.825 ; v1(6.34,6.208) 6.499,6.049 cw(c6.157,5.708) v1(6.64,5.708) ccw(c7.523,5.708) 7.523,4.825 7.68,4.825 ; v1(11.44,6.207) 11.281,6.049 ccw(c11.623,5.708) v1(11.14,5.708) cw(c10.257,5.708) 10.257,4.825 7.68,4.825
pads on no net: J1.0 J1.A8 J1.B8 SW2.0 U1.9 U2.5 U4.7 U4.8 U4.12 U4.13 U4.14 U4.16 U4.17 U4.18 U4.19 U4.29 U4.31 Y1.2 Y1.4

## Polygon pours and split planes (outlines as drawn)
+3V3 on Layer 2 "+3V3_L03_P003" (solid, remove dead copper, pour order 3): 17.78,20.32 17.78,0 0,0 0,20.32
+1V1 on Layer 2 "NONET_L-01_P-001" (solid, remove dead copper, pour order 2): 7.9,17.65 7.5,17.25 7.5,13.75 3.75,13.75 3.75,12.25 8.5,12.25 8.5,8 10,8 10,8.73 10.518,9.248 11.508,9.258 12.25,10 12.26,10.99 13.02,11.75 13.75,11.75 13.75,13 11,13 9,15 9,17.25 8.6,17.65
GND on Layer 2 "GND_L-01_P-001" (solid, remove dead copper, pour order 1): 7.75,5.5 cw(c8.707,6.604) 7.25,6.5 7.25,11.146 ccw(c6.397,11.146) 7,11.75 6.927,11.823 cw(c7.354,12.25) 6.75,12.25 cw(c7,12.25) 7,12.5 8.5,12.5 cw(c8.5,12) 9,12 9,10.104 cw(c8.147,10.104) 8.75,9.5 8.604,9.354 ccw(c9.457,8.5) 8.25,8.5 8.25,8.25 ccw(c8.75,8.25) 8.75,7.75 cw(c8.75,7) 9.5,7 9.5,6 cw(c9,6) 9,5.5
GND on Layer 1 "GND_L02_P000" (solid, remove dead copper, pour order 0): 17.78,20.32 17.78,0 0,0 0,20.32

## Other copper
Top Layer:
  region net +1V1: 6.95,7.25 8.15,7.25 8.15,8 cw(c8.4,8) 8.4,8.25 9,8.25 9,8.75 6.95,8.75
  region net +3V3: 3.45,7.8 3.45,8.059 cw(c3.791,8.059) 3.55,8.3 3.662,8.412 ccw(c3.448,8.625) 3.75,8.625 3.75,9 4.25,9 4.25,8.4 3.65,7.8
  region net GND: 3.65,7.4 3.406,7.4 ccw(c3.406,7.144) 3.225,7.325 3.109,7.209 cw(c2.725,7.593) 2.725,7.05 2.55,7.05 2.55,6.55 3.15,6.55 3.15,6.779 cw(c3.321,6.779) 3.2,6.9 cw(c3.321,6.779) 3.321,6.95 3.325,6.95 cw(c3.325,6.829) 3.41,6.915 3.425,6.9 cw(c3.365,6.84) 3.45,6.84 3.45,6.25 3.95,6.25 3.95,6.879 ccw(c3.779,6.879) 3.9,7 cw(c4.021,7.121) 3.85,7.121 3.85,7.2
  region net VSYS: 4.35,8.05 4.35,8 4.575,7.775 4.575,7.425 4.35,7.2 4.35,6.35 ccw(c4.45,6.35) 4.45,6.25 4.95,6.25 4.95,6.95 ccw(c4.769,6.95) 4.897,7.078 4.875,7.1 cw(c5.177,7.402) 4.75,7.402 4.75,8.05
  region net +3V3: 3.65,7.8 ccw(c3.65,7.438) 3.394,7.694 3.325,7.625 cw(c3.144,7.806) 3.144,7.55 2.55,7.55 2.55,8.05 3.85,8.05 3.85,8
  region net NetL1_1: 6.7,10.15 6.5,10.15 6.5,9.4 cw(c6.2,9.4) 6.2,9.1 5.35,9.1 ccw(c5.35,8.8) 5.05,8.8 5.05,7.25 6.25,7.25 6.25,8.55 cw(c6.45,8.55) 6.45,8.75 ccw(c6.45,9) 6.7,9 6.7,9.2

## Silkscreen, mask and mechanical layers (free items; w line width, h text height)
Top Overlay:
  text "Rx" at 0.582,18.7 h0.7
  text "Tx" at 16.032,18.7 h0.7
  text "B" at 10.45,18.142 h0.7 r90
  text "SCK" at 0.582,16.16 h0.7
  text "SCL" at 15.332,16.16 h0.7
  text "MI" at 0.582,13.62 h0.7
  text "SDA" at 15.332,13.62 h0.7
  text "MO" at 0.582,11.08 h0.7
  text "A3" at 16.032,11.08 h0.7
  text "3V3" at 0.582,8.54 h0.7
  text "A2" at 16.032,8.54 h0.7
  text "GND" at 0.582,6 h0.7
  text "A1" at 16.265,6 h0.7
  text "5V" at 0.582,3.46 h0.7
  text "A0" at 16.032,3.46 h0.7
  text "Wim" at 6.885,2.65 h2
Bottom Overlay:
  drawing of 21 lines, arcs and shapes, not listed
  text "IO11 / LED" at 7.981,20.22 h1.75 r90
  text "IO21" at 4.012,18.3 h1.75
  text "IO11 LED" at 17.018,17.962 h1.75
  text "IO17" at 5.282,17.03 h1.75
  text "IO16" at 15.748,17.03 h1.75
  text ".PCB_TITLE Rev. .PCB_REV" at 10.786,17.018 h2.4 r90
  text "RUN" at 4.171,15.76 h1.75
  text "IO3" at 17.018,15.76 h1.75
  text "IO22" at 5.282,14.49 h1.75
  text "IO7" at 15.748,14.49 h1.75
  text "IO24" at 4.012,13.22 h1.75
  text "IO2" at 17.018,13.22 h1.75
  text "IO20" at 5.282,11.95 h1.75
  text "IO6" at 15.748,11.95 h1.75
  text "IO25" at 4.012,10.68 h1.75
  text "IO1" at 17.018,10.68 h1.75
  text "IO23" at 5.282,9.41 h1.75
  text "IO29" at 15.748,9.41 h1.75
  text "IO0" at 17.018,8.14 h1.75
  text "3V3" at 5.782,6.87 h2.1
  text "IO28" at 15.748,6.87 h1.75
  text "350mA" at 6.91,5.6 h1.5
  text "SWCLK" at 17.018,5.6 h1.75
  text "GND" at 6.199,4.33 h2.1
  text "IO27" at 15.748,4.33 h1.75
  text "SWDIO" at 17.018,3.06 h1.75
  text "Vin" at 5.536,1.79 h2.2
  text "IO26" at 15.748,1.79 h1.75
Top Solder:
  lines w0.4: 0,11.18 ccw(c0,11.43) 0,11.68 ; 0,13.72 ccw(c0,13.97) 0,14.22 ; 0,16.26 ccw(c0,16.51) 0,16.76 ; 0,18.8 ccw(c0,19.05) 0,19.3 ; 17.78,3.56 cw(c17.78,3.81) 17.78,4.06 ; 17.78,6.1 cw(c17.78,6.35) 17.78,6.6 ; 17.78,8.64 cw(c17.78,8.89) 17.78,9.14 ; 17.78,11.18 cw(c17.78,11.43) 17.78,11.68 ; 17.78,13.72 cw(c17.78,13.97) 17.78,14.22 ; 17.78,16.26 cw(c17.78,16.51) 17.78,16.76 ; 17.78,18.8 cw(c17.78,19.05) 17.78,19.3
Outline:
  the board outline again, w0.1
Fabrication:
  lines w0.254: 2.57,20.32 2.57,21.59 ; 3.078,20.574 2.57,20.955 ; 3.078,21.336 2.57,20.955 ; 5.872,20.574 6.38,20.955 ; 5.872,21.336 6.38,20.955 ; 6.38,20.32 6.38,21.59 ; 13.97,-1.27 13.97,0 ; 14.478,-1.016 13.97,-0.635 ; 14.478,-0.254 13.97,-0.635 ; 16.002,-1.016 16.51,-0.635 ; 16.002,-0.254 16.51,-0.635 ; 16.51,-1.27 16.51,0 ; 2.57,20.955 6.38,20.955 ; 13.97,-0.635 16.51,-0.635
  text "Mousebites in  / this region" at 1.3,21.688 h0.5
  text "Mousebites in  / this region" at 12.065,-3.302 h0.5
  text "White Solder Mask" at -57.5,-42 h1.5
  text "Black Silkscreen" at -57.5,-45 h1.5
  text "0.8mm Thickness" at -57.5,-48 h1.5
  text "Epoxy filled & capped vias if drill diameter <0.3mm" at -57.5,-51 h1.5
Frame:
  drawing of 15 lines, arcs and shapes, not listed
  text "Document" at 218.902,-66.311 h2
  text ".PCB_TITLE" at 220.402,-71.811 h3
  text "Layer Name" at 218.902,-76.311 h2
  text "<PANEL>" at 220.402,-81.811 h3
  text "Date" at 218.902,-86.311 h2
  text "Rev" at 258.902,-86.311 h2
  text ".Print_Date" at 221.902,-91.811 h3.5
  text ".PCB_REV" at 263.402,-91.811 h4
  text "Desginer" at 168.902,-96.311 h2
  text "Document" at 218.902,-96.311 h2
  text ".Pcb_File_Name_No_Path" at 220.402,-101.311 h1.5
  text ".PCB_ENGINEER" at 173.402,-101.811 h4
aisler-bridges:
  lines w0.056: 4.445,20.32 4.445,22.82 ; 15.24,-2.5 15.24,0

## Dimensions
17.78,19.05 to 0,17.78 on Fabrication
1.27,20.32 to 1.27,0 on Fabrication

## Text inside footprints (layer, text, board x,y; h text height)
J1: Comments "PCB Edge" at 6.59,-1.09 h0.61